# Altium PCB node-test-array__B4.PcbDoc (part 3 of 3)
Units mm, origin at the board's own origin, x right, y up, seen from the top; angles counter-clockwise.
Board outline 390 x 132 mm, 2 copper layers (Top Layer, Bottom Layer), stack 1.567 mm thick; 356 components, 207 nets, 1082 pads, 266 vias.
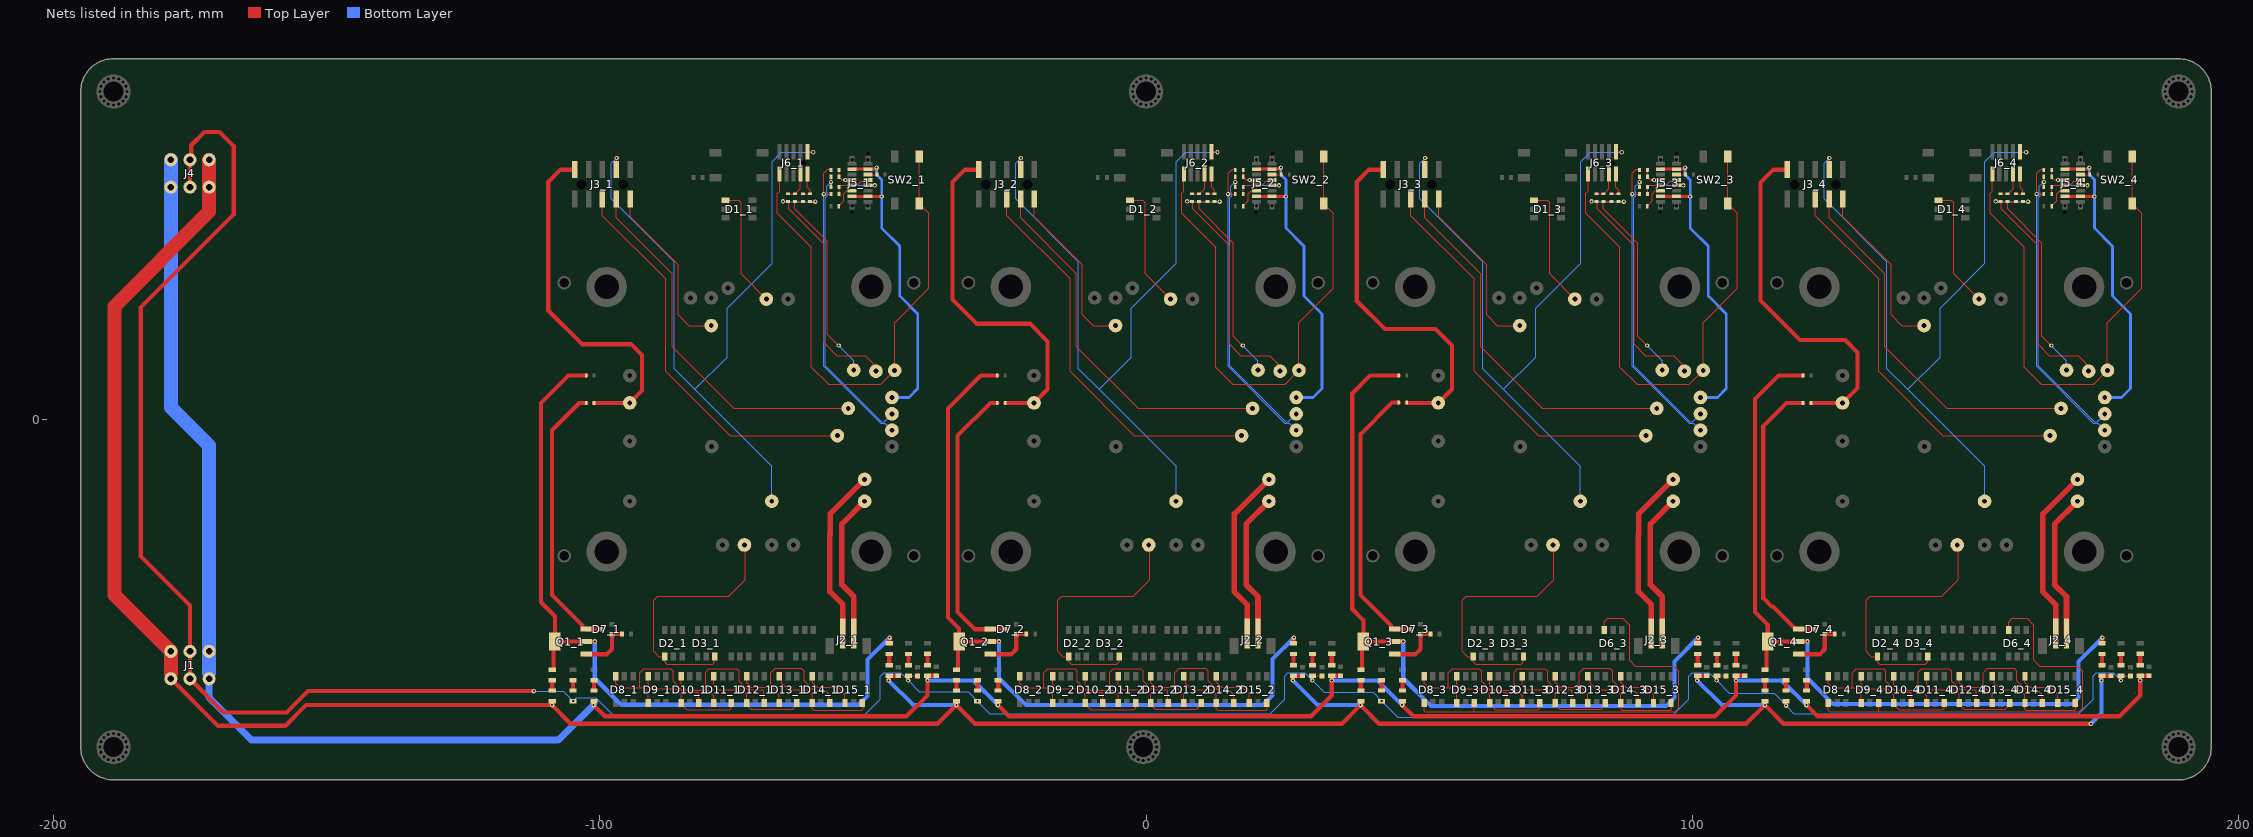
[diagram p3: the nets of this part, all layers, seen from the top]

## Via types
v1: diameter 0.813, hole 0.381, Top Layer to Bottom Layer, tented both sides, 266 vias

## Nets (pads, with @x,y where several pads share a name; then routed paths per layer and width w, separated by ;. In a path a pad name is that pad's centre, name@x,y a point inside that pad or via, vN(x,y) a via of type N, cw(c..) or ccw(c..) an arc to the next point about the centre after c; other vN are vias at no path point) (continued)
NetD6_3_3: D6_3.3 D8_3.4 D9_3.6 | length 80.1
  Top Layer w0.152: D8_3.4@50.9,-51.7 D8_3.4@50.9,-51.95 50.9,-53.325 51.156,-53.582 60.1,-53.582 ; D9_3.6@60.1,-51.95 60.1,-53.582 ; D6_3.3@83.9,-38.55 83.9,-37.094 84.532,-36.462 87.28,-36.462 88.537,-37.719 88.537,-44.15 89.599,-45.212 96.589,-45.212 97.498,-46.122 97.498,-52.884 96.8,-53.582 60.1,-53.582
NetD6_4_3: D6_4.3 D8_4.4 D9_4.6 | length 80.1
  Top Layer w0.152: D8_4.4@124.9,-51.7 D8_4.4@124.9,-51.95 124.9,-53.325 125.156,-53.582 134.1,-53.582 ; D9_4.6@134.1,-51.95 134.1,-53.582 ; D6_4.3@157.9,-38.55 157.9,-37.094 158.532,-36.462 161.28,-36.462 162.537,-37.719 162.537,-44.15 163.599,-45.212 170.589,-45.212 171.498,-46.122 171.498,-52.884 170.8,-53.582 134.1,-53.582
NetD7_1_1: D7_1.1 Q1_1.1 R4_1.1 | length 9.7
  Top Layer w0.762: Q1_1.1@-102.5,-43 -98.657,-43 -97.758,-42.101 D7_1.1@-97.758,-39.359 -97.708,-39.359 -97.656,-39.307 R4_1.1@-95.916,-39.307
NetD7_1_3: D7_1.3 Q1_1.3 R26_1.1 | length 50.4
  Top Layer w0.762: R26_1.1@-102.475,3 -103.75,3 -108.75,-2 -108.75,-32.15 -103.169,-37.731 -103.169,-38.331 -103.1,-38.4 Q1_1.3@-102.5,-38.4 -102.475,-38.425 -99.777,-38.425 D7_1.3@-99.758,-38.444
NetD7_2_1: D7_2.1 Q1_2.1 R4_2.1 | length 9.7
  Top Layer w0.762: Q1_2.1@-28.5,-43 -24.657,-43 -23.758,-42.101 D7_2.1@-23.758,-39.359 -23.708,-39.359 -23.656,-39.307 R4_2.1@-21.916,-39.307
NetD7_2_3: D7_2.3 Q1_2.3 R26_2.1 | length 52.1
  Top Layer w0.762: R26_2.1@-27.225,3 -28.5,3 -34.5,-3 -34.5,-35.25 -31.306,-38.444 -28.5,-38.444 D7_2.3@-25.758,-38.444
NetD7_3_1: D7_3.1 Q1_3.1 R4_3.1 | length 9.7
  Top Layer w0.762: Q1_3.1@45.5,-43 49.343,-43 50.242,-42.101 D7_3.1@50.242,-39.359 50.292,-39.359 50.344,-39.307 R4_3.1@52.084,-39.307
NetD7_3_3: D7_3.3 Q1_3.3 R26_3.1 | length 50.8
  Top Layer w0.762: R26_3.1@46.275,3.06 45.06,3.06 39.25,-2.75 39.25,-32.15 44.831,-37.731 44.831,-38.331 44.9,-38.4 Q1_3.3@45.5,-38.4 45.525,-38.425 48.223,-38.425 D7_3.3@48.242,-38.444
NetD7_4_1: D7_4.1 Q1_4.1 R4_4.1 | length 9.7
  Top Layer w0.762: Q1_4.1@119.5,-43 123.343,-43 124.242,-42.101 D7_4.1@124.242,-39.359 124.292,-39.359 124.344,-39.307 R4_4.1@126.084,-39.307
NetD7_4_3: D7_4.3 Q1_4.3 R26_4.1 | length 52.1
  Top Layer w0.762: R26_4.1@120.275,3 117.25,3 113,-1.25 113,-32.75 114.5,-34.25 114.75,-34.25 118.9,-38.4 Q1_4.3@119.5,-38.4 119.525,-38.425 122.223,-38.425 D7_4.3@122.242,-38.444
NetD8_1_3: D8_1.3 D9_1.4 D10_1.6 | length 28.5
  Top Layer w0.152: D8_1.3@-97.1,-47.05 -97.1,-48.347 -96.298,-49.149 -92.686,-49.149 ; D9_1.4@-91.1,-51.95 -91.1,-49.897 -91.848,-49.149 -92.686,-49.149 ; D10_1.6@-81.9,-51.95 -81.9,-50.187 -82.137,-49.95 -84.596,-49.95 -86.582,-47.964 -86.582,-46.084 -86.971,-45.695 -91.975,-45.695 -92.686,-46.406 -92.686,-49.149
NetD8_2_3: D8_2.3 D9_2.4 D10_2.6 | length 28.5
  Top Layer w0.152: D8_2.3@-23.1,-47.05 -23.1,-48.347 -22.298,-49.149 -18.686,-49.149 ; D9_2.4@-17.1,-51.95 -17.1,-49.897 -17.848,-49.149 -18.686,-49.149 ; D10_2.6@-7.9,-51.95 -7.9,-50.187 -8.137,-49.95 -10.596,-49.95 -12.582,-47.964 -12.582,-46.084 -12.971,-45.695 -17.975,-45.695 -18.686,-46.406 -18.686,-49.149
NetD8_3_3: D8_3.3 D9_3.4 D10_3.6 | length 28.5
  Top Layer w0.152: D8_3.3@50.9,-47.05 50.9,-48.347 51.702,-49.149 55.314,-49.149 ; D9_3.4@56.9,-51.95 56.9,-49.897 56.152,-49.149 55.314,-49.149 ; D10_3.6@66.1,-51.95 66.1,-50.187 65.863,-49.95 63.404,-49.95 61.418,-47.964 61.418,-46.084 61.029,-45.695 56.025,-45.695 55.314,-46.406 55.314,-49.149
NetD8_4_3: D8_4.3 D9_4.4 D10_4.6 | length 28.5
  Top Layer w0.152: D8_4.3@124.9,-47.05 124.9,-48.347 125.702,-49.149 129.314,-49.149 ; D9_4.4@130.9,-51.95 130.9,-49.897 130.152,-49.149 129.314,-49.149 ; D10_4.6@140.1,-51.95 140.1,-50.187 139.863,-49.95 137.404,-49.95 135.418,-47.964 135.418,-46.084 135.029,-45.695 130.025,-45.695 129.314,-46.406 129.314,-49.149
NetD9_1_3: D9_1.3 D10_1.4 D11_1.6 | length 20.7
  Top Layer w0.152: D9_1.3@-91.1,-47.05 -91.1,-48.505 -90.265,-49.34 -86.201,-49.34 -85.1,-50.441 D10_1.4@-85.1,-51.95 -85.1,-52.2 -84.112,-53.188 -76.227,-53.188 -75.9,-52.86 D11_1.6@-75.9,-51.95
NetD9_2_3: D9_2.3 D10_2.4 D11_2.6 | length 20.7
  Top Layer w0.152: D9_2.3@-17.1,-47.05 -17.1,-48.505 -16.265,-49.34 -12.201,-49.34 -11.1,-50.441 D10_2.4@-11.1,-51.95 -11.1,-52.2 -10.112,-53.188 -2.227,-53.188 -1.9,-52.86 D11_2.6@-1.9,-51.95
NetD9_3_3: D9_3.3 D10_3.4 D11_3.6 | length 20.7
  Top Layer w0.152: D9_3.3@56.9,-47.05 56.9,-48.505 57.735,-49.34 61.799,-49.34 62.9,-50.441 D10_3.4@62.9,-51.95 62.9,-52.2 63.888,-53.188 71.773,-53.188 72.1,-52.86 D11_3.6@72.1,-51.95
NetD9_4_3: D9_4.3 D10_4.4 D11_4.6 | length 20.7
  Top Layer w0.152: D9_4.3@130.9,-47.05 130.9,-48.505 131.735,-49.34 135.799,-49.34 136.9,-50.441 D10_4.4@136.9,-51.95 136.9,-52.2 137.888,-53.188 145.773,-53.188 146.1,-52.86 D11_4.6@146.1,-51.95
NetD10_1_3: D10_1.3 D11_1.4 D12_1.6 | length 28.9
  Top Layer w0.152: D10_1.3@-85.1,-47.05 -85.1,-48.663 -84.169,-49.594 -80.613,-49.594 ; D11_1.4@-79.1,-51.95 -79.1,-50.599 -80.105,-49.594 -80.613,-49.594 ; D12_1.6@-69.9,-51.95 -69.996,-51.854 -69.996,-49.746 -70.224,-49.518 -72.891,-49.518 -74.461,-47.948 -74.461,-46.14 -74.919,-45.682 -76.828,-45.682 -80,-45.682 -80.613,-46.296 -80.613,-49.594
NetD10_2_3: D10_2.3 D11_2.4 D12_2.6 | length 28.9
  Top Layer w0.152: D10_2.3@-11.1,-47.05 -11.1,-48.663 -10.169,-49.594 -6.613,-49.594 ; D11_2.4@-5.1,-51.95 -5.1,-50.599 -6.105,-49.594 -6.613,-49.594 ; D12_2.6@4.1,-51.95 4.004,-51.854 4.004,-49.746 3.776,-49.518 1.109,-49.518 -0.461,-47.948 -0.461,-46.14 -0.919,-45.682 -2.828,-45.682 -6,-45.682 -6.613,-46.296 -6.613,-49.594
NetD10_3_3: D10_3.3 D11_3.4 D12_3.6 | length 28.9
  Top Layer w0.152: D10_3.3@62.9,-47.05 62.9,-48.663 63.831,-49.594 67.387,-49.594 ; D11_3.4@68.9,-51.95 68.9,-50.599 67.895,-49.594 67.387,-49.594 ; D12_3.6@78.1,-51.95 78.004,-51.854 78.004,-49.746 77.776,-49.518 75.109,-49.518 73.539,-47.948 73.539,-46.14 73.081,-45.682 71.172,-45.682 68,-45.682 67.387,-46.296 67.387,-49.594
NetD10_4_3: D10_4.3 D11_4.4 D12_4.6 | length 28.9
  Top Layer w0.152: D10_4.3@136.9,-47.05 136.9,-48.663 137.831,-49.594 141.387,-49.594 ; D11_4.4@142.9,-51.95 142.9,-50.599 141.895,-49.594 141.387,-49.594 ; D12_4.6@152.1,-51.95 152.004,-51.854 152.004,-49.746 151.776,-49.518 149.109,-49.518 147.539,-47.948 147.539,-46.14 147.081,-45.682 145.172,-45.682 142,-45.682 141.387,-46.296 141.387,-49.594
NetD11_1_3: D11_1.3 D12_1.4 D13_1.6 | length 20.4
  Top Layer w0.152: D11_1.3@-79.1,-47.05 -79.1,-48.638 -78.271,-49.467 -74.009,-49.467 -73.1,-50.376 D12_1.4@-73.1,-51.95 -72.676,-52.374 -72.676,-52.675 -72.29,-53.061 -64.696,-53.061 -64.324,-52.689 -64.324,-52.374 D13_1.6@-63.9,-51.95
NetD11_2_3: D11_2.3 D12_2.4 D13_2.6 | length 20.4
  Top Layer w0.152: D11_2.3@-5.1,-47.05 -5.1,-48.638 -4.271,-49.467 -0.009,-49.467 0.9,-50.376 D12_2.4@0.9,-51.95 1.324,-52.374 1.324,-52.675 1.71,-53.061 9.304,-53.061 9.676,-52.689 9.676,-52.374 D13_2.6@10.1,-51.95
NetD11_3_3: D11_3.3 D12_3.4 D13_3.6 | length 20.4
  Top Layer w0.152: D11_3.3@68.9,-47.05 68.9,-48.638 69.729,-49.467 73.991,-49.467 74.9,-50.376 D12_3.4@74.9,-51.95 75.324,-52.374 75.324,-52.675 75.71,-53.061 83.304,-53.061 83.676,-52.689 83.676,-52.374 D13_3.6@84.1,-51.95
NetD11_4_3: D11_4.3 D12_4.4 D13_4.6 | length 20.4
  Top Layer w0.152: D11_4.3@142.9,-47.05 142.9,-48.638 143.729,-49.467 147.991,-49.467 148.9,-50.376 D12_4.4@148.9,-51.95 149.324,-52.374 149.324,-52.675 149.71,-53.061 157.304,-53.061 157.676,-52.689 157.676,-52.374 D13_4.6@158.1,-51.95
NetD12_1_3: D12_1.3 D13_1.4 D14_1.6 | length 27.9
  Top Layer w0.152: D12_1.3@-73.1,-47.05 -73.1,-48.212 -72.226,-49.086 -68.709,-49.086 ; D13_1.4@-67.1,-51.95 -67.1,-50.407 -68.421,-49.086 -68.709,-49.086 ; D14_1.6@-57.9,-51.95 -57.937,-51.913 -57.937,-50.395 -58.536,-49.797 -60.618,-49.797 -62.579,-47.837 -62.579,-46.109 -63.082,-45.606 -67.884,-45.606 -68.709,-46.431 -68.709,-49.086
NetD12_2_3: D12_2.3 D13_2.4 D14_2.6 | length 27.9
  Top Layer w0.152: D12_2.3@0.9,-47.05 0.9,-48.212 1.774,-49.086 5.291,-49.086 ; D13_2.4@6.9,-51.95 6.9,-50.407 5.579,-49.086 5.291,-49.086 ; D14_2.6@16.1,-51.95 16.063,-51.913 16.063,-50.395 15.464,-49.797 13.382,-49.797 11.421,-47.837 11.421,-46.109 10.918,-45.606 6.116,-45.606 5.291,-46.431 5.291,-49.086
NetD12_3_3: D12_3.3 D13_3.4 D14_3.6 | length 27.9
  Top Layer w0.152: D12_3.3@74.9,-47.05 74.9,-48.212 75.774,-49.086 79.291,-49.086 ; D13_3.4@80.9,-51.95 80.9,-50.407 79.579,-49.086 79.291,-49.086 ; D14_3.6@90.1,-51.95 90.063,-51.913 90.063,-50.395 89.464,-49.797 87.382,-49.797 85.421,-47.837 85.421,-46.109 84.918,-45.606 80.116,-45.606 79.291,-46.431 79.291,-49.086
NetD12_4_3: D12_4.3 D13_4.4 D14_4.6 | length 27.9
  Top Layer w0.152: D12_4.3@148.9,-47.05 148.9,-48.212 149.774,-49.086 153.291,-49.086 ; D13_4.4@154.9,-51.95 154.9,-50.407 153.579,-49.086 153.291,-49.086 ; D14_4.6@164.1,-51.95 164.063,-51.913 164.063,-50.395 163.464,-49.797 161.382,-49.797 159.421,-47.837 159.421,-46.109 158.918,-45.606 154.116,-45.606 153.291,-46.431 153.291,-49.086
NetD13_1_3: D13_1.3 D14_1.4 D15_1.6 | length 21.1
  Top Layer w0.152: D13_1.3@-67.1,-47.05 -66.702,-47.448 -66.702,-48.298 -65.487,-49.513 -62.015,-49.513 -61.1,-50.427 D14_1.4@-61.1,-51.95 -61.1,-52.978 -60.852,-53.226 -51.987,-53.226 -51.784,-53.023 -51.784,-52.066 D15_1.6@-51.9,-51.95
NetD13_2_3: D13_2.3 D14_2.4 D15_2.6 | length 21.1
  Top Layer w0.152: D13_2.3@6.9,-47.05 7.298,-47.448 7.298,-48.298 8.513,-49.513 11.985,-49.513 12.9,-50.427 D14_2.4@12.9,-51.95 12.9,-52.978 13.148,-53.226 22.013,-53.226 22.216,-53.023 22.216,-52.066 D15_2.6@22.1,-51.95
NetD13_3_3: D13_3.3 D14_3.4 D15_3.6 | length 21.1
  Top Layer w0.152: D13_3.3@80.9,-47.05 81.298,-47.448 81.298,-48.298 82.513,-49.513 85.985,-49.513 86.9,-50.427 D14_3.4@86.9,-51.95 86.9,-52.978 87.148,-53.226 96.013,-53.226 96.216,-53.023 96.216,-52.066 D15_3.6@96.1,-51.95
NetD13_4_3: D13_4.3 D14_4.4 D15_4.6 | length 21.1
  Top Layer w0.152: D13_4.3@154.9,-47.05 155.298,-47.448 155.298,-48.298 156.513,-49.513 159.985,-49.513 160.9,-50.427 D14_4.4@160.9,-51.95 160.9,-52.978 161.148,-53.226 170.013,-53.226 170.216,-53.023 170.216,-52.066 D15_4.6@170.1,-51.95
NetD14_1_3: D14_1.3 D15_1.4 | length 9.6
  Top Layer w0.152: D14_1.3@-61.1,-47.05 -61.1,-48.105 -60.165,-49.04 -56.402,-49.04 -55.467,-49.975 -55.1,-50.342 D15_1.4@-55.1,-51.95
NetD14_2_3: D14_2.3 D15_2.4 | length 9.6
  Top Layer w0.152: D14_2.3@12.9,-47.05 12.9,-48.105 13.835,-49.04 17.598,-49.04 18.533,-49.975 18.9,-50.342 D15_2.4@18.9,-51.95
NetD14_3_3: D14_3.3 D15_3.4 | length 9.6
  Top Layer w0.152: D14_3.3@86.9,-47.05 86.9,-48.105 87.835,-49.04 91.598,-49.04 92.533,-49.975 92.9,-50.342 D15_3.4@92.9,-51.95
NetD14_4_3: D14_4.3 D15_4.4 | length 9.6
  Top Layer w0.152: D14_4.3@160.9,-47.05 160.9,-48.105 161.835,-49.04 165.598,-49.04 166.533,-49.975 166.9,-50.342 D15_4.4@166.9,-51.95
NetJ5_1_A5: J5_1.A5 R20_1.2 | length 4.3
  Top Layer w0.152: R20_1.2@-56.22,39.07 -56.22,39.13 -56.047,39.304 -55.986,39.304 -55.294,39.996 -55.294,41.266 -54.754,41.806 J5_1.A5@-53.786,41.806
NetJ5_1_A6: J5_1.A6 J5_1.B6 R2_1.1 R3_1.1 | length 7.2
  Top Layer w0.152: R2_1.1@-56.195,41.215 R3_1.1@-56.195,42.485 -56.195,42.61 -55.999,42.806 J5_1.A6@-53.786,42.806 -53.538,43.053 -52.629,43.053 -52.121,43.561 -51.67,43.561 -51.426,43.806 J5_1.B6@-50.926,43.806
NetJ5_1_A7: J5_1.A7 J5_1.B7 R17_1.1 R18_1.1 | length 11.1
  Top Layer w0.152: R17_1.1@-56.195,45.66 R18_1.1@-56.195,44.39 -56.195,44.265 -55.736,43.806 v1(-55.04,43.806) J5_1.A7@-53.786,43.806 ; J5_1.B7@-50.926,42.806 -50.916,42.815 v1(-49.656,42.815)
  Bottom Layer w0.152: v1(-55.04,43.806) -54.05,42.815 v1(-49.656,42.815)
NetJ5_1_B5: J5_1.B5 R19_1.2 | length 1.7
  Top Layer w0.152: J5_1.B5@-50.926,44.806 -49.254,44.806 R19_1.2@-49.238,44.822
NetJ5_2_A5: J5_2.A5 R20_2.2 | length 4.3
  Top Layer w0.152: R20_2.2@17.78,39.07 17.78,39.13 17.953,39.304 18.014,39.304 18.706,39.996 18.706,41.266 19.246,41.806 J5_2.A5@20.214,41.806
NetJ5_2_A6: J5_2.A6 J5_2.B6 R2_2.1 R3_2.1 | length 7.2
  Top Layer w0.152: R2_2.1@17.805,41.215 R3_2.1@17.805,42.485 17.805,42.61 18.001,42.806 J5_2.A6@20.214,42.806 20.462,43.053 21.438,43.053 21.946,43.561 22.33,43.561 22.574,43.806 J5_2.B6@23.074,43.806
NetJ5_2_A7: J5_2.A7 J5_2.B7 R17_2.1 R18_2.1 | length 11.1
  Top Layer w0.152: R17_2.1@17.805,45.66 R18_2.1@17.805,44.39 17.805,44.265 18.264,43.806 v1(18.96,43.806) J5_2.A7@20.214,43.806 ; J5_2.B7@23.074,42.806 23.084,42.815 v1(24.344,42.815)
  Bottom Layer w0.152: v1(18.96,43.806) 19.95,42.815 v1(24.344,42.815)
NetJ5_2_B5: J5_2.B5 R19_2.2 | length 1.7
  Top Layer w0.152: J5_2.B5@23.074,44.806 24.746,44.806 R19_2.2@24.762,44.822
NetJ5_3_A5: J5_3.A5 R20_3.2 | length 4.3
  Top Layer w0.152: R20_3.2@91.78,39.07 91.78,39.13 91.953,39.304 92.014,39.304 92.706,39.996 92.706,41.266 93.246,41.806 J5_3.A5@94.214,41.806
NetJ5_3_A6: J5_3.A6 J5_3.B6 R2_3.1 R3_3.1 | length 7.2
  Top Layer w0.152: R2_3.1@91.805,41.215 R3_3.1@91.805,42.485 91.805,42.61 92.001,42.806 J5_3.A6@94.214,42.806 94.462,43.053 95.402,43.053 95.91,43.561 96.33,43.561 96.574,43.806 J5_3.B6@97.074,43.806
NetJ5_3_A7: J5_3.A7 J5_3.B7 R17_3.1 R18_3.1 | length 11.1
  Top Layer w0.152: R17_3.1@91.805,45.66 R18_3.1@91.805,44.39 91.805,44.265 92.264,43.806 v1(92.96,43.806) J5_3.A7@94.214,43.806 ; J5_3.B7@97.074,42.806 97.084,42.815 v1(98.344,42.815)
  Bottom Layer w0.152: v1(92.96,43.806) 93.95,42.815 v1(98.344,42.815)
NetJ5_3_B5: J5_3.B5 R19_3.2 | length 1.7
  Top Layer w0.152: J5_3.B5@97.074,44.806 98.746,44.806 R19_3.2@98.762,44.822
NetJ5_4_A5: J5_4.A5 R20_4.2 | length 4.3
  Top Layer w0.152: R20_4.2@165.78,39.07 165.78,39.13 165.953,39.304 166.014,39.304 166.706,39.996 166.706,41.266 167.246,41.806 J5_4.A5@168.214,41.806
NetJ5_4_A6: J5_4.A6 J5_4.B6 R2_4.1 R3_4.1 | length 7.2
  Top Layer w0.152: R2_4.1@165.805,41.215 R3_4.1@165.805,42.485 165.805,42.61 166.001,42.806 J5_4.A6@168.214,42.806 168.462,43.053 169.342,43.053 169.85,43.561 170.33,43.561 170.574,43.806 J5_4.B6@171.074,43.806
NetJ5_4_A7: J5_4.A7 J5_4.B7 R17_4.1 R18_4.1 | length 11.1
  Top Layer w0.152: R17_4.1@165.805,45.66 R18_4.1@165.805,44.39 165.805,44.265 166.264,43.806 v1(166.96,43.806) J5_4.A7@168.214,43.806 ; J5_4.B7@171.074,42.806 171.084,42.815 v1(172.344,42.815)
  Bottom Layer w0.152: v1(166.96,43.806) 167.95,42.815 v1(172.344,42.815)
NetJ5_4_B5: J5_4.B5 R19_4.2 | length 1.7
  Top Layer w0.152: J5_4.B5@171.074,44.806 172.746,44.806 R19_4.2@172.762,44.822
NetJ6_1_2: J6_1.2 R21_1.1 R22_1.1 | length 5.1
  Top Layer w0.152: R22_1.1@-62.762,41.305 R21_1.1@-61.492,41.305 -61.492,41.952 -62,42.46 J6_1.2@-62,44.898
NetJ6_1_4: J6_1.4 R23_1.1 R24_1.1 | length 5.4
  Top Layer w0.152: R23_1.1@-65.556,41.305 R24_1.1@-64.286,41.305 -64.161,41.305 -63.27,42.196 J6_1.4@-63.27,44.898
NetJ6_2_2: J6_2.2 R21_2.1 R22_2.1 | length 5.1
  Top Layer w0.152: R22_2.1@11.238,41.305 R21_2.1@12.508,41.305 12.508,41.952 12,42.46 J6_2.2@12,44.898
NetJ6_2_4: J6_2.4 R23_2.1 R24_2.1 | length 5.4
  Top Layer w0.152: R23_2.1@8.444,41.305 R24_2.1@9.714,41.305 9.839,41.305 10.73,42.196 J6_2.4@10.73,44.898
NetJ6_3_2: J6_3.2 R21_3.1 R22_3.1 | length 5.1
  Top Layer w0.152: R22_3.1@85.238,41.305 R21_3.1@86.508,41.305 86.508,41.952 86,42.46 J6_3.2@86,44.898
NetJ6_3_4: J6_3.4 R23_3.1 R24_3.1 | length 5.4
  Top Layer w0.152: R23_3.1@82.444,41.305 R24_3.1@83.714,41.305 83.839,41.305 84.73,42.196 J6_3.4@84.73,44.898
NetJ6_4_2: J6_4.2 R21_4.1 R22_4.1 | length 5.1
  Top Layer w0.152: R22_4.1@159.238,41.305 R21_4.1@160.508,41.305 160.508,41.952 160,42.46 J6_4.2@160,44.898
NetJ6_4_4: J6_4.4 R23_4.1 R24_4.1 | length 5.4
  Top Layer w0.152: R23_4.1@156.444,41.305 R24_4.1@157.714,41.305 157.839,41.305 158.73,42.196 J6_4.4@158.73,44.898
NetQ1_1_2,4: Q1_1.2 Q1_1.4 R5_1.2 R8_1.2 R25_1.1 | length 140.6
  Top Layer w0.762: R8_1.2@-108.68,-45.825 -108.459,-45.825 -108.44,-45.806 -108.44,-40.94 Q1_1.4@-108.2,-40.7 ; R25_1.1@-102.475,8 -105.75,8 -110.75,3 -110.75,-33.5 -108.2,-36.05 Q1_1.4@-108.2,-40.7 ; v1(-100.908,-40.653) -100.917,-40.663 -102.463,-40.663 Q1_1.2@-102.5,-40.7 Q1_1.4@-108.2,-40.7 ; R5_1.2@-47,-41.025 -46.963,-41.025 -46.944,-41.006 v1(-46.944,-39.983)
  Bottom Layer w0.762: v1(-100.908,-40.653) -100.908,-47.412 -96.072,-52.248 -52.575,-52.248 -50.952,-50.626 -50.952,-43.992 v1(-46.944,-39.983)
NetQ1_2_2,4: Q1_2.2 Q1_2.4 R5_2.2 R8_2.2 R25_2.1 | length 140.7
  Top Layer w0.762: R8_2.2@-34.68,-45.825 -34.459,-45.825 -34.44,-45.806 -34.44,-40.94 Q1_2.4@-34.2,-40.7 ; R25_2.1@-27.225,8 -30.25,8 -36.25,2 -36.25,-36.25 -34.2,-38.3 Q1_2.4@-34.2,-40.7 ; v1(-26.908,-40.653) -26.917,-40.663 -28.463,-40.663 Q1_2.2@-28.5,-40.7 Q1_2.4@-34.2,-40.7 ; R5_2.2@27,-41.025 27.037,-41.025 27.056,-41.006 v1(27.056,-39.983)
  Bottom Layer w0.762: v1(-26.908,-40.653) -26.908,-47.412 -21.995,-52.324 21.349,-52.324 23.165,-50.508 23.165,-43.874 v1(27.056,-39.983)
NetQ1_3_2,4: Q1_3.2 Q1_3.4 R5_3.2 R8_3.2 R25_3.1 | length 141.9
  Top Layer w0.762: R8_3.2@39.32,-45.825 39.541,-45.825 39.56,-45.806 39.56,-40.94 Q1_3.4@39.8,-40.7 ; R25_3.1@46.275,8 41,8 37.75,4.75 37.75,-34.75 39.8,-36.8 Q1_3.4@39.8,-40.7 ; v1(47.092,-40.653) 47.083,-40.663 45.537,-40.663 Q1_3.2@45.5,-40.7 Q1_3.4@39.8,-40.7 ; R5_3.2@101,-41.025 101.037,-41.025 101.056,-41.006 v1(101.056,-39.983)
  Bottom Layer w0.762: v1(47.092,-40.653) 47.092,-47.412 52.182,-52.502 95.171,-52.502 96.721,-50.952 96.721,-44.318 v1(101.056,-39.983)
NetQ1_4_2,4: Q1_4.2 Q1_4.4 R5_4.2 R8_4.2 R25_4.1 | length 141.4
  Top Layer w0.762: R8_4.2@113.32,-45.825 113.541,-45.825 113.56,-45.806 113.56,-40.94 Q1_4.4@113.8,-40.7 ; R25_4.1@120.275,8 115.75,8 111.5,3.75 111.5,-35.25 113.8,-37.55 Q1_4.4@113.8,-40.7 ; v1(121.092,-40.653) 121.083,-40.663 119.537,-40.663 Q1_4.2@119.5,-40.7 Q1_4.4@113.8,-40.7 ; R5_4.2@175,-41.025 175.037,-41.025 175.056,-41.006 v1(175.056,-39.983)
  Bottom Layer w0.762: v1(121.092,-40.653) 121.092,-47.412 125.776,-52.095 169.578,-52.095 170.721,-50.952 170.721,-44.318 v1(175.056,-39.983)
NetR5_1_1: R5_1.1 R11_1.2 | length 2
  Top Layer w0.762: R11_1.2@-47,-45.025 R5_1.1@-47,-42.975
NetR5_2_1: R5_2.1 R11_2.2 | length 2
  Top Layer w0.762: R11_2.2@27,-45.025 R5_2.1@27,-42.975
NetR5_3_1: R5_3.1 R11_3.2 | length 2
  Top Layer w0.762: R11_3.2@101,-45.025 R5_3.1@101,-42.975
NetR5_4_1: R5_4.1 R11_4.2 | length 2
  Top Layer w0.762: R11_4.2@175,-45.025 R5_4.1@175,-42.975
NetR6_1_1: R6_1.1 R12_1.2 | length 2
  Top Layer w0.762: R12_1.2@-40,-45 R6_1.1@-40,-42.95
NetR6_2_1: R6_2.1 R12_2.2 | length 2
  Top Layer w0.762: R12_2.2@34,-45 R6_2.1@34,-42.95
NetR6_3_1: R6_3.1 R12_3.2 | length 2
  Top Layer w0.762: R12_3.2@108,-45 R6_3.1@108,-42.95
NetR6_4_1: R6_4.1 R12_4.2 | length 2
  Top Layer w0.762: R12_4.2@182,-45 R6_4.1@182,-42.95
NetR7_1_1: R7_1.1 R13_1.2 | length 1.9
  Top Layer w0.762: R13_1.2@-104.87,-49.635 R7_1.1@-104.87,-47.775
NetR7_2_1: R7_2.1 R13_2.2 | length 1.9
  Top Layer w0.762: R13_2.2@-30.87,-49.635 R7_2.1@-30.87,-47.775
NetR7_3_1: R7_3.1 R13_3.2 | length 1.9
  Top Layer w0.762: R13_3.2@43.13,-49.635 R7_3.1@43.13,-47.775
NetR7_4_1: R7_4.1 R13_4.2 | length 1.9
  Top Layer w0.762: R13_4.2@117.13,-49.635 R7_4.1@117.13,-47.775
NetR8_1_1: R8_1.1 R14_1.2 | length 1.9
  Top Layer w0.762: R14_1.2@-108.68,-49.635 R8_1.1@-108.68,-47.775
NetR8_2_1: R8_2.1 R14_2.2 | length 1.9
  Top Layer w0.762: R14_2.2@-34.68,-49.635 R8_2.1@-34.68,-47.775
NetR8_3_1: R8_3.1 R14_3.2 | length 1.9
  Top Layer w0.762: R14_3.2@39.32,-49.635 R8_3.1@39.32,-47.775
NetR8_4_1: R8_4.1 R14_4.2 | length 1.9
  Top Layer w0.762: R14_4.2@113.32,-49.635 R8_4.1@113.32,-47.775
NetR9_1_1: R9_1.1 R15_1.2 | length 1.9
  Top Layer w0.762: R15_1.2@-101.06,-49.635 R9_1.1@-101.06,-47.775
NetR9_2_1: R9_2.1 R15_2.2 | length 1.9
  Top Layer w0.762: R15_2.2@-27.06,-49.635 R9_2.1@-27.06,-47.775
NetR9_3_1: R9_3.1 R15_3.2 | length 1.9
  Top Layer w0.762: R15_3.2@46.94,-49.635 R9_3.1@46.94,-47.775
NetR9_4_1: R9_4.1 R15_4.2 | length 1.9
  Top Layer w0.762: R15_4.2@120.94,-49.635 R9_4.1@120.94,-47.775
NetR10_1_1: R10_1.1 R16_1.2 | length 2
  Top Layer w0.762: R16_1.2@-43.5,-45.025 R10_1.1@-43.5,-42.975
NetR10_2_1: R10_2.1 R16_2.2 | length 2
  Top Layer w0.762: R16_2.2@30.5,-45.025 R10_2.1@30.5,-42.975
NetR10_3_1: R10_3.1 R16_3.2 | length 2
  Top Layer w0.762: R16_3.2@104.5,-45.025 R10_3.1@104.5,-42.975
NetR10_4_1: R10_4.1 R16_4.2 | length 2
  Top Layer w0.762: R16_4.2@178.5,-45.025 R10_4.1@178.5,-42.975
NP0-EXT_1: D1_1.4 TP6_1.1 | length 22.6
  Top Layer w0.152: D1_1.4@-76.95,40.075 -74.557,40.075 -74.119,39.637 -74.119,26.619 TP6_1.1@-69.5,22
NP0-EXT_2: D1_2.4 TP6_2.1 | length 22.6